# KiCad board GPDI_ULX3S_panel.kicad_pcb (continued)
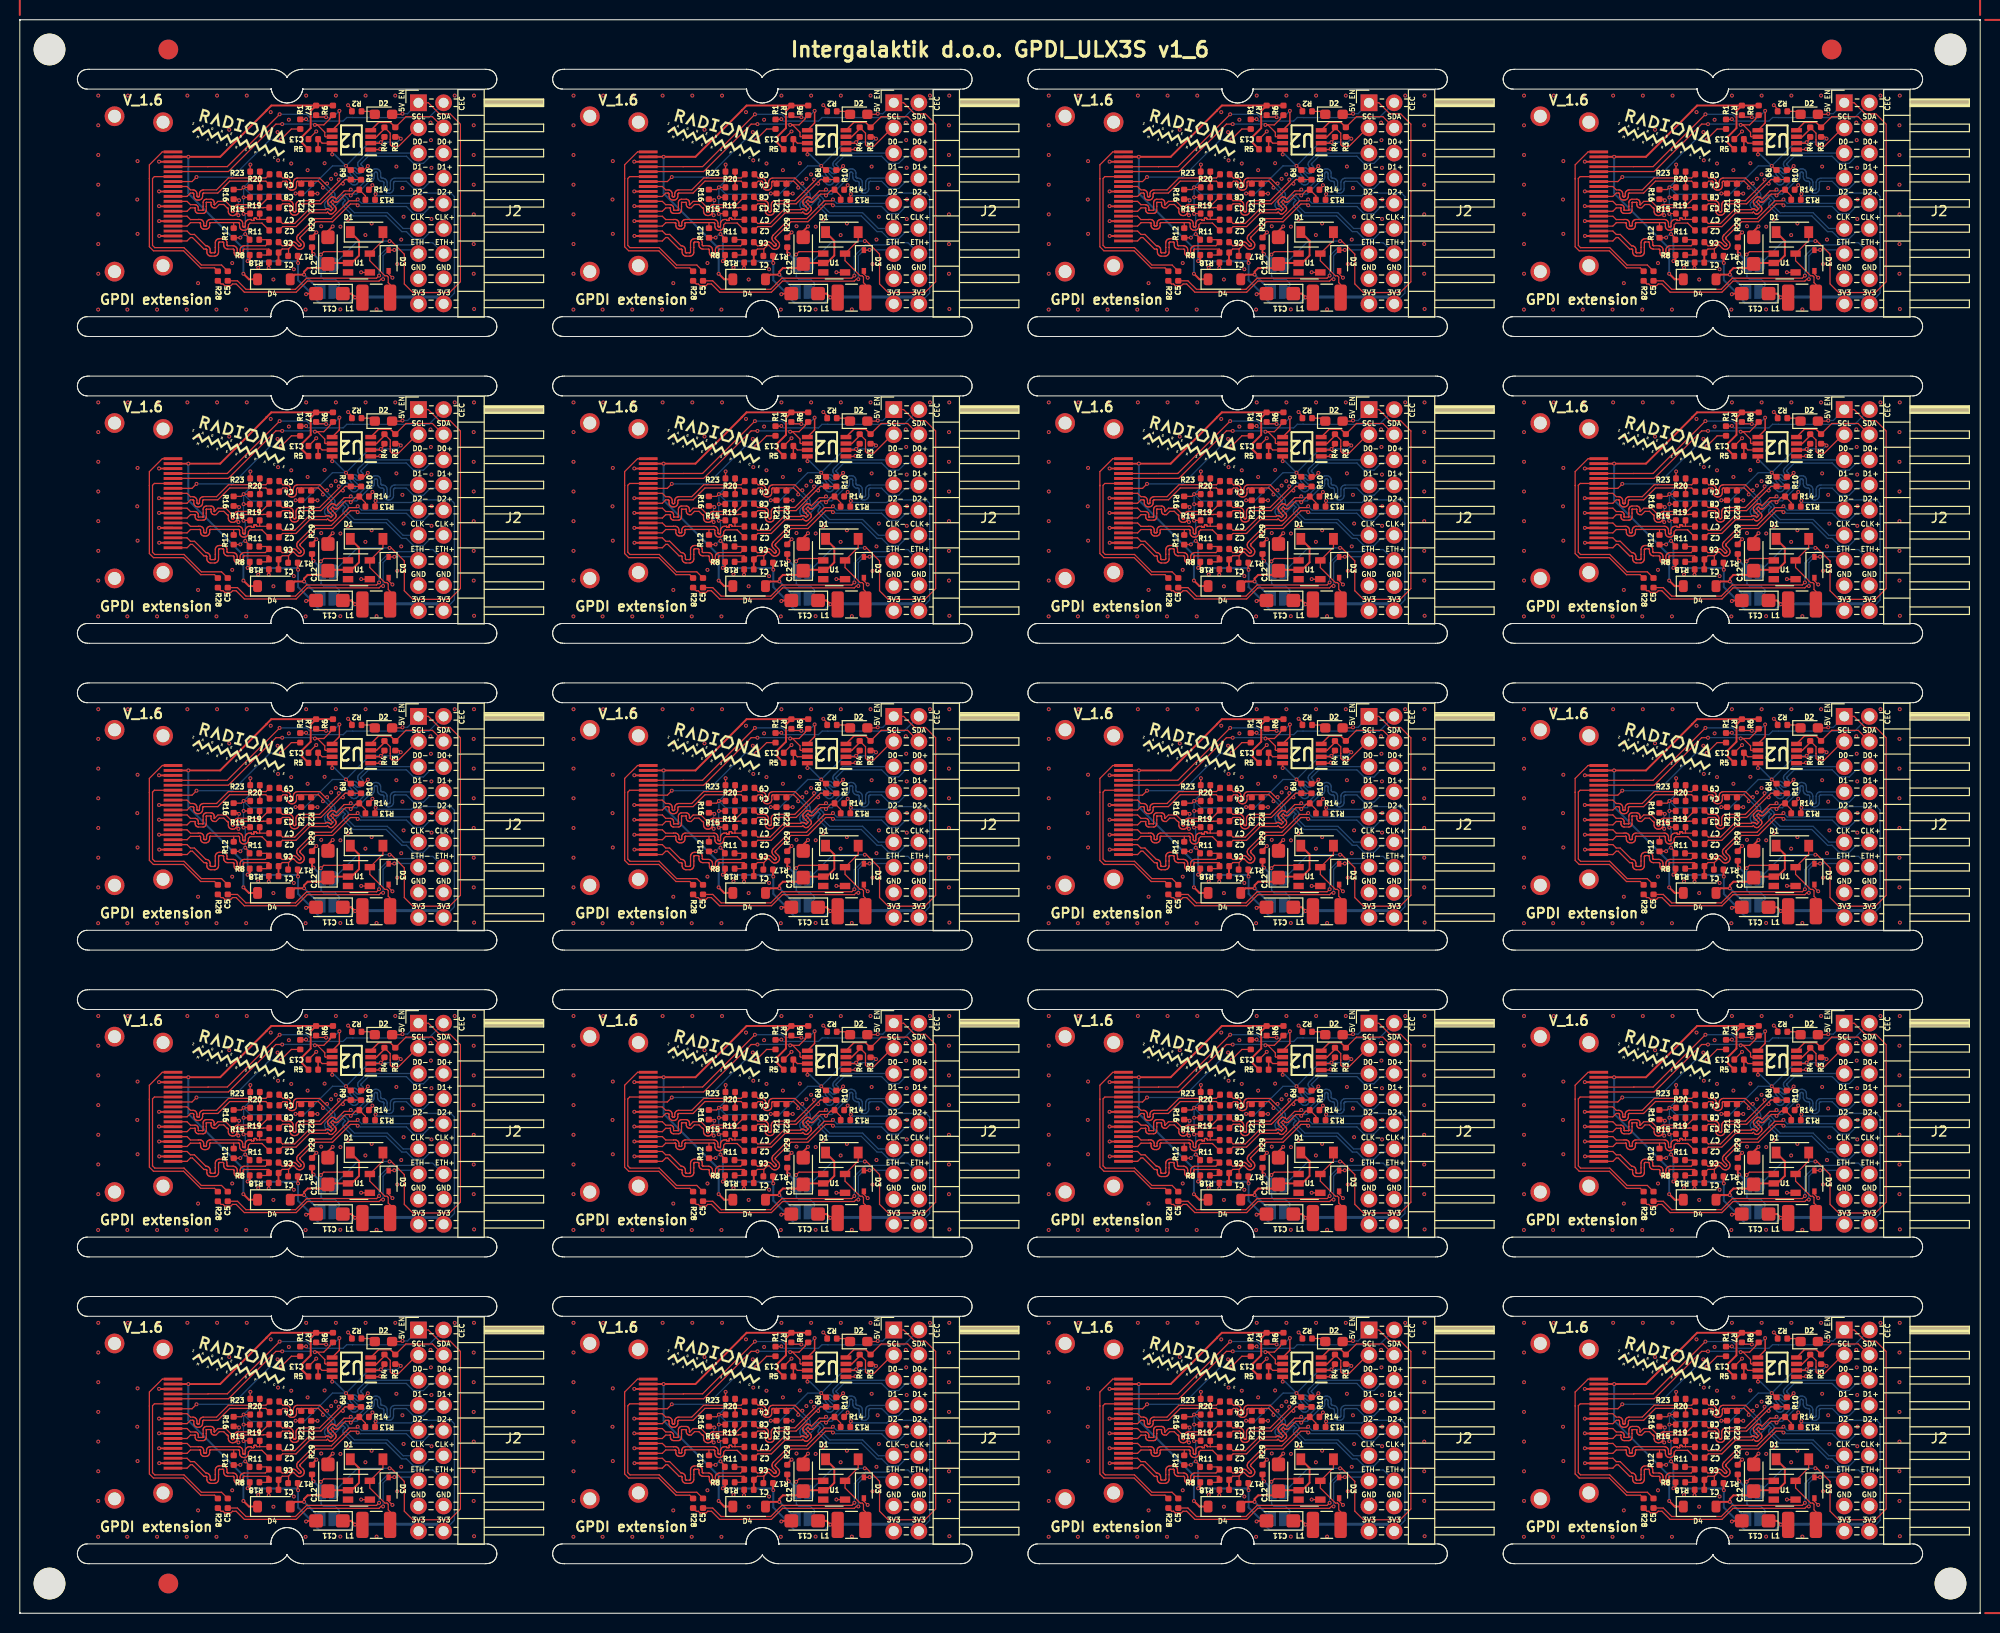
[diagram p0: board, top side]
## Routing (per net, layer and track width the routed paths; a pad name or vN(x,y) marks a point on that pad's centre or on a via; arc(x,y) is an arc through that point) (continued)
  Bottom w0.127: v1(33.42,112.85) 33.56,112.71 33.89,112.71 35.18,114 35.31,114 35.35,114 35.38,114.01 35.41,114.03 35.44,114.06 35.46,114.09 35.47,114.12 35.48,114.16 35.48,114.48 35.49,114.58 35.52,114.68 35.58,114.77 35.65,114.84 35.74,114.89 35.83,114.93 35.93,114.94 35.99,114.94 36.09,114.93 36.19,114.89 36.27,114.84 36.35,114.77 36.4,114.68 36.43,114.58 36.45,114.48 36.45,114.16 36.45,114.12 36.46,114.09 36.48,114.06 36.51,114.03 36.54,114.01 36.57,114 36.61,114 36.64,114 36.74,113.98 36.84,113.95 36.92,113.9 37,113.82 37.05,113.74 37.08,113.64 37.1,113.54 37.1,112.97 37.1,112.93 37.11,112.89 37.13,112.86 37.16,112.84 37.19,112.82 37.22,112.8 37.26,112.8 37.3,112.8 37.33,112.82 37.36,112.84 37.39,112.86 37.41,112.89 37.42,112.93 37.43,112.97 37.43,113.54 37.44,113.64 37.47,113.74 37.53,113.82 37.6,113.9 37.69,113.95 37.78,113.98 37.88,114 40.26,114
Board_4-GPDI_D2+: length 22.7
  Top w0.127: R17#15.2 27.14,106.19 27.14,106.84 ; C1#2.1 26.5,106.84 27.14,106.84 ; v1(34.12,111.25) 33.99,111.39 33.39,111.39 31.59,109.59 29.89,109.59 28.34,108.04 28.32,108.01 28.3,107.98 28.3,107.95 28.3,107.92 28.3,107.89 28.32,107.86 28.34,107.84 28.61,107.57 28.67,107.49 28.71,107.41 28.73,107.31 28.73,107.21 28.71,107.12 28.67,107.03 28.61,106.96 28.57,106.92 28.49,106.86 28.4,106.82 28.31,106.79 28.21,106.79 28.12,106.82 28.03,106.86 27.96,106.92 27.69,107.19 27.66,107.21 27.63,107.22 27.6,107.23 27.57,107.23 27.54,107.22 27.51,107.21 27.49,107.19 27.14,106.84
  Top w0.2: R18#6.1 26.13,106.47 C1#2.1
  Bottom w0.127: v1(34.12,111.25) 34.27,111.25 34.38,111.14 39.04,111.14 39.76,110.41 40.76,110.41 41.48,111.14 42.48,111.14 J2#18.10
Board_4-GPDI_D2-: length 17.8
  Top w0.127: C6#15.1 26.5,107.16 27.01,107.16 27.28,107.43 27.36,107.49 27.44,107.53 27.54,107.56 27.64,107.56 27.73,107.53 27.82,107.49 27.89,107.43 28.16,107.16 28.19,107.14 28.21,107.13 28.25,107.12 28.28,107.12 28.31,107.13 28.34,107.14 28.36,107.16 28.38,107.19 28.39,107.22 28.4,107.25 28.4,107.28 28.39,107.31 28.38,107.34 28.36,107.36 28.09,107.63 28.03,107.71 27.99,107.79 27.97,107.89 27.97,107.98 27.99,108.08 28.03,108.17 28.09,108.24 29.76,109.91 31.46,109.91 33.26,111.71 33.99,111.71 v1(34.12,111.85)
  Bottom w0.127: v1(34.12,111.85) 34.52,111.45 J2#18.9
Board_4-GPDI_ETH+: length 25.7
  Top w0.127: v1(36.29,104.15) 36.03,103.89 28.97,103.89 27.84,102.77 22.84,102.77 21.98,103.62 C5#2.1
  Bottom w0.127: v1(36.29,104.15) 36.29,106.13 37.41,107.25 39.65,107.25 39.87,107.47 41.71,107.47 J2#18.14
Board_4-GPDI_ETH-: length 24.8
  Top w0.127: v1(37.82,106.75) 37.8,106.72 D3#12.1 ; R28#20.2 20.32,103.31 20.52,103.31 20.69,103.14 21.31,103.14 21.48,103.31 21.85,103.31 22.68,102.48 27.91,102.48 29.03,103.6 36.29,103.6 36.48,103.79 v1(36.69,103.79)
  Bottom w0.127: v1(36.69,103.79) 36.69,103.79 36.69,106.16 37.27,106.75 v1(37.82,106.75) 39.89,106.75 J2#18.13
Board_4-GPDI_SCL: length 21.1
  Top w0.127: U2.6 30.87,118.18 30.8,118.25 30.8,118.63 30.05,119.38 v1(29.8,119.38) 30.7,119.38 31.32,120 31.32,120.06 R6#12.2 ; P1#12.15 15.48,114.67 21.07,114.67 25.86,119.46 v1(26.5,119.46)
  Bottom w0.127: v1(29.8,119.38) 29.71,119.47 26.51,119.47 v1(26.5,119.46)
Board_4-GPDI_SDA: length 22.8
  Top w0.127: v1(26.24,120.45) 20.96,115.17 19.02,115.17 19.01,115.15 P1#12.16 ; v1(30.93,120.16) 30.91,120.18 30.11,120.18 R7#13.2
  Top w0.15: U2.5 32.28,119.57 v1(32.28,120.8)
  Bottom w0.127: v1(32.28,120.8) 31.58,120.1 30.99,120.1 v1(30.93,120.16) 30.92,120.17 29.25,120.17 28.97,120.45 v1(26.24,120.45)
Board_4-Net-(D1-A): length 8.1
  Top w0.127: D1#19.2 36.67,107.7 U1#18.5 35.35,105.66 36.87,104.13 37.08,104.13 37.21,104.01 37.21,103.44 37.4,103.25 L1#20.2
Board_4-Net-(D1-K): length 13.2
  Top w0.2: D1#19.1 34.26,107.66 34.26,106.18 33.51,105.42 U1#18.2 31.22,105.42 C12#13.1 30.7,104.91 29.07,104.91 28.71,104.55 v1(28.71,104.25) 27.78,104.25 D4#16.2
  Bottom w0.2: JP2#18.1 30.37,102.59 v1(28.71,104.25)
Board_4-Net-(D2-K): length 1.5
  Top w0.127: R2#20.1 35.55,120.75 D2#2.1
Board_4-Net-(U2-VREF2): length 2.6
  Top w0.127: U2.7 30.53,117.53 C13#10.1
  Top w0.15: R5#10.2 C13#10.1
Board_4-PMOD_SCL: length 8.1
  Top w0.127: 39.88,118.69 40.26,119.08 40.11,119.08 38.25,117.21 37.59,117.21 37.41,117.38 37.41,117.88 37.41,117.88 37.41,118.55 R4#12.2
  Top w0.15: R4#12.2 36.82,118.98 36.03,118.18 U2.3
Board_4-PMOD_SDA: length 8.8
  Top w0.127: 42.8,119.08 41.67,120.21 39,120.21 R3#14.2
  Top w0.15: U2.4 36.24,119.63 37.43,119.63 R3#14.2
Board_5-5V_ENABLE: length 54.8
  Top w0.127: 87.8,121.15 J2#6.1 89.26,121.61 90.39,120.49 91.46,120.49 92.5,119.45 92.5,103.53 91.41,102.44 87.7,102.44 86.83,103.31 86.83,106.32 85.51,107.64 v1(85.34,107.64) ; D2#7.2 86.59,120.45 v1(86.65,120.51) ; U1#13.1 80.96,106.57 78.7,106.57 v1(78.41,106.28)
  Top w0.2: R29#19.1 77.51,106.48 v1(77.66,106.33)
  Bottom w0.127: v1(86.65,120.51) 87.16,120.51 J2#6.1 ; JP1#10.1 82.12,107.64 v1(85.34,107.64) ; JP2.2 80.26,103.13 80.26,103.39 79.86,103.79 78.68,103.79 78.44,104.03 78.43,104.03 78.43,105.25 JP1#10.2 78.42,106 78.41,106.01 v1(78.41,106.28)
  Bottom w0.2: JP1#10.2 78.42,105.57 v1(77.66,106.33)
  Bottom w0.5: JP1#10.2 JP1#10.1
Board_5-+3V3: length 87.4
  Top w0.127: L1#19.1 81.88,101.92 v1(81.86,101.95) ; v1(80.94,115.24) 81.36,114.82 R9#13.1 ; R15#7.1 70.62,110.42 v1(70.59,110.39) ; R4#10.1 84.82,117.99 v1(84.47,117.63) ; v1(70.27,107.99) 70.26,107.97 R12#7.1 ; v1(70.77,108.35) 71.21,107.91 R11#14.1 ; R19.1 v1(70.6,112.06) ; R20#2.1 v1(70.6,113.07) 70.38,112.85 R16#6.1 ; v1(83.93,112.38) 83.88,112.33 R13#4.1 ; R3#5.1 86.3,118.17 v1(86.47,117.99) ; R23#11.1 71.27,115.35 v1(71.29,115.37) ; v1(75.85,112.45) R21#17.1
  Top w0.15: U2#17.8 79.54,116.41 v1(79.55,116.4) ; U2#17.2 84.37,117.53 v1(84.47,117.63)
  Top w0.2: v1(71.01,105.62) 71.23,105.84 R8#15.1 ; C11#2.1 81.48,102.33 v1(81.86,101.95) ; v1(76.1,105.43) 76.07,105.46 R17#19.1
  Bottom w0.127: 90.8,101.3 91.89,102.38 91.89,112.14 91.54,112.5 87.83,112.5 87.57,112.23 84.08,112.23 v1(83.93,112.38) ; v1(86.47,117.99) 86.12,117.63 v1(84.47,117.63) 83.34,117.63 v1(80.94,115.24) 79.58,115.24 76.79,112.45 v1(75.85,112.45) 75.77,112.37 71.3,112.37 v1(70.6,113.07) ; v1(71.29,115.37) 71.29,113.75 v1(70.6,113.07) ; v1(70.27,107.99) 70.63,108.35 v1(70.77,108.35) 70.77,110.22 v1(70.59,110.39) 70.59,112.05 v1(70.6,112.06) v1(70.6,113.07)
  Bottom w0.15: v1(79.55,116.4) 79.78,116.4 v1(80.94,115.24)
  Bottom w0.2: v1(81.86,101.95) 81.32,101.41 78.24,101.41 77.65,102 77.65,102.14 76.1,103.68 v1(76.1,105.43) 75.93,105.6 71.03,105.6 v1(71.01,105.62) 71.01,108.11 v1(70.77,108.35)
  Bottom w0.3: 90.8,101.3 90.11,101.99 81.9,101.99 v1(81.86,101.95)
Board_5-+5V: length 39.3
  Top w0.2: D4.1 71.14,103.78 v1(70.58,104.34) ; R5#13.1 76.53,117.55 76.53,118.2 77.38,119.06 77.38,120.79 R7#15.1 ; P1#4.18 v1(65.02,116.15) 68.24,116.15 72.92,120.83 72.92,120.85 73.4,121.33 R7#15.1 ; R7#15.1 R6#3.1
  Bottom w0.2: v1(70.58,104.34) 70.58,106.9 65.02,112.46 v1(65.02,116.15)
Board_5-/CEC: length 15.1
  Top w0.127: R1#18.1 75.43,118.97 v1(74.37,117.91) ; v1(65.85,114.11) 65.39,113.65 P1#4.13
  Bottom w0.127: v1(74.37,117.91) 73.28,117.91 69.47,114.11 v1(65.85,114.11)
Board_5-/CLK+: length 12.1
  Top w0.127: C4#8.2 72.85,113.7 69.2,113.7 68,112.5 66.58,112.5 66.55,112.49 66.53,112.48 66.51,112.47 66.49,112.45 66.48,112.43 66.47,112.4 66.46,112.38 66.46,112.19 66.45,112.1 66.42,112.02 66.37,111.94 66.31,111.87 66.23,111.82 66.14,111.79 66.05,111.78 65.98,111.78 65.89,111.79 65.8,111.82 65.73,111.87 65.66,111.94 65.61,112.02 65.58,112.1 65.57,112.19 65.57,112.38 65.57,112.4 65.56,112.43 65.55,112.45 65.53,112.47 65.51,112.48 65.48,112.49 65.45,112.5 65.24,112.5 64.89,112.15 P1#4.10
  Top w0.15: R20#2.2 72.24,113.67
Board_5-/CLK-: length 12.2
  Top w0.127: 72.26,114.02 72.24,114.03 R23#11.2 ; 72.26,114.02 72.85,114.02 C9#19.2 ; 72.26,114.02 69.07,114.02 67.87,112.81 66.56,112.81 66.46,112.8 66.38,112.77 66.3,112.72 66.23,112.66 66.19,112.58 66.16,112.49 66.14,112.4 66.14,112.22 66.14,112.19 66.13,112.17 66.12,112.15 66.1,112.13 66.08,112.11 66.05,112.1 66.03,112.1 66.01,112.1 65.98,112.1 65.96,112.11 65.93,112.13 65.92,112.15 65.9,112.17 65.89,112.19 65.89,112.22 65.89,112.4 65.88,112.49 65.85,112.58 65.8,112.66 65.74,112.72 65.66,112.77 65.57,112.8 65.48,112.81 65.24,112.81 64.89,113.15 P1#4.12
Board_5-/D0+: length 15.7
  Top w0.127: v1(70.08,110.25) 69.95,110.38 69.86,110.38 ; 69.86,110.38 69.79,110.31 69.71,110.26 69.62,110.23 69.53,110.22 69.48,110.22 69.38,110.23 69.3,110.26 69.22,110.31 69.15,110.38 69.1,110.46 69.07,110.55 69.06,110.64 69.06,110.88 69.05,110.91 69.04,110.93 69.03,110.96 69.01,110.98 68.99,110.99 68.96,111 68.93,111.01 68.6,111.34 68.14,111.34 67.8,111 67.65,111 67.58,111 67.5,111.03 67.44,111.07 67.39,111.12 67.35,111.19 67.32,111.26 67.31,111.33 67.31,111.51 67.31,111.52 67.31,111.53 67.3,111.54 67.3,111.54 67.29,111.55 67.28,111.55 67.27,111.55 66.87,111.55 66.86,111.55 66.85,111.55 66.85,111.54 66.84,111.54 66.84,111.53 66.83,111.52 66.83,111.51 66.83,111.15 66.83,110.78 66.82,110.7 66.8,110.63 66.76,110.57 66.7,110.51 66.64,110.47 66.57,110.45 66.49,110.44 66.05,110.44 65.97,110.45 65.9,110.47 65.84,110.51 65.79,110.57 65.75,110.63 65.72,110.7 65.71,110.78 65.71,110.96 65.71,110.97 65.71,110.97 65.7,110.98 65.7,110.99 65.69,110.99 65.68,110.99 65.67,111 65.24,111 64.89,110.65 P1#4.7 ; 69.86,110.38 69.91,110.46 69.94,110.55 69.95,110.64 69.95,110.88 69.95,110.91 69.96,110.93 69.98,110.96 70,110.98 70.02,110.99 70.05,111 70.08,111.01 70.15,111.01 70.18,111 70.2,110.99 70.23,110.98 70.25,110.96 70.26,110.93 70.27,110.91 70.28,110.88 70.28,110.87 70.28,110.84 70.29,110.82 70.3,110.79 70.32,110.77 70.35,110.76 70.37,110.75 70.4,110.75 70.43,110.75 70.46,110.76 70.48,110.77 70.5,110.79 70.52,110.82 70.53,110.84 70.53,110.87 70.53,110.88 70.53,110.91 70.54,110.93 70.56,110.96 70.58,110.98 70.6,110.99 70.63,111 70.66,111.01 72.57,111.01 72.59,111.03 C3#5.2 ; v1(70.15,111.76) 70.03,111.88 R16#6.2
  Bottom w0.127: v1(70.08,110.25) 70.08,111.7 v1(70.15,111.76)
Board_5-/D0-: length 14.1
  Top w0.127: P1#4.9 64.89,111.65 65.24,111.31 65.69,111.31 65.77,111.31 65.84,111.28 65.9,111.24 65.96,111.19 66,111.12 66.02,111.05 66.03,110.98 66.03,110.8 66.03,110.79 66.03,110.78 66.04,110.77 66.05,110.77 66.05,110.76 66.06,110.76 66.07,110.76 66.47,110.76 66.48,110.76 66.49,110.76 66.5,110.77 66.5,110.77 66.51,110.78 66.51,110.79 66.51,110.8 66.51,111.15 66.51,111.15 66.51,111.53 66.52,111.61 66.55,111.68 66.59,111.74 66.64,111.8 66.7,111.84 66.78,111.86 66.85,111.87 67.29,111.87 67.37,111.86 67.44,111.84 67.51,111.8 67.56,111.74 67.6,111.68 67.62,111.61 67.63,111.53 67.63,111.35 67.63,111.34 67.64,111.34 67.64,111.33 67.65,111.32 67.65,111.32 67.66,111.32 67.67,111.31 68.01,111.65 68.8,111.65 69.28,111.17 69.33,111.09 69.37,111 69.38,110.91 69.38,110.67 69.38,110.64 69.39,110.61 69.4,110.59 69.42,110.57 69.45,110.55 69.48,110.54 69.5,110.54 69.53,110.54 69.56,110.55 69.58,110.57 69.6,110.59 69.62,110.61 69.63,110.64 69.63,110.67 69.63,110.91 69.64,111 69.67,111.09 69.72,111.17 69.79,111.23 69.87,111.28 69.96,111.31 70.05,111.33 72.39,111.33 C8#13.2 73.13,112.06
  Top w0.15: 72.2,111.33 72.22,111.34 R19.2
Board_5-/D1+: length 12.6
  Top w0.127: C2#6.2 72.45,109.46 71.26,109.46 71.09,109.29 71.09,109.15 71.08,109.05 71.05,108.97 71,108.89 70.93,108.82 70.85,108.77 70.76,108.74 70.67,108.73 70.62,108.73 70.52,108.74 70.44,108.77 70.36,108.82 70.29,108.89 70.24,108.97 70.21,109.05 70.2,109.15 70.2,109.38 70.19,109.41 70.18,109.43 70.17,109.46 70.15,109.48 70.13,109.49 70.1,109.5 70.07,109.51 67.27,109.51 67.25,109.5 67.23,109.5 67.21,109.49 67.19,109.47 67.18,109.45 67.18,109.43 67.17,109.41 67.17,109.23 67.16,109.14 67.14,109.06 67.09,108.99 67.03,108.93 66.95,108.88 66.87,108.85 66.79,108.84 66.64,108.84 66.56,108.85 66.48,108.88 66.4,108.93 66.34,108.99 66.29,109.06 66.27,109.14 66.26,109.23 66.26,109.41 66.25,109.43 66.25,109.45 66.24,109.47 66.22,109.49 66.2,109.5 66.18,109.5 66.16,109.51 66.15,109.5 65.24,109.5 64.89,109.15 P1#4.4 ; R12#7.2 69.6,109.49
Board_5-/D1-: length 12.8
  Top w0.127: R15#7.2 72.23,109.83 ; 72.23,109.83 73.16,109.83 C7#4.2 ; 72.23,109.83 71.97,109.83 71.95,109.83 71.94,109.83 71.92,109.84 71.91,109.85 71.9,109.87 71.9,109.88 71.9,109.91 71.89,109.93 71.88,109.94 71.87,109.96 71.86,109.96 71.84,109.97 71.82,109.97 71.72,109.97 71.7,109.97 71.68,109.96 71.67,109.96 71.66,109.94 71.65,109.93 71.65,109.91 71.64,109.9 71.64,109.78 71.64,109.76 71.64,109.75 71.63,109.74 71.62,109.74 71.62,109.73 71.6,109.73 71.59,109.73 71.44,109.73 71.43,109.73 71.42,109.73 71.41,109.74 71.4,109.74 71.39,109.75 71.39,109.76 71.39,109.79 71.38,109.8 71.38,109.81 71.37,109.81 71.36,109.82 71.35,109.82 71.34,109.83 71.19,109.83 71.1,109.81 71.01,109.78 70.93,109.73 70.86,109.67 70.81,109.59 70.78,109.5 70.77,109.41 70.77,109.17 70.77,109.15 70.76,109.12 70.74,109.09 70.72,109.07 70.7,109.06 70.67,109.05 70.64,109.05 70.62,109.05 70.59,109.06 70.56,109.07 70.54,109.09 70.53,109.12 70.52,109.15 70.52,109.17 70.52,109.41 70.51,109.5 70.47,109.59 70.42,109.67 70.36,109.73 70.28,109.78 70.19,109.81 70.1,109.83 67.24,109.83 67.16,109.82 67.08,109.79 67,109.74 66.94,109.68 66.89,109.61 66.87,109.52 66.86,109.44 66.86,109.25 66.85,109.23 66.85,109.21 66.84,109.2 66.82,109.18 66.8,109.17 66.78,109.16 66.76,109.16 66.67,109.16 66.65,109.16 66.63,109.17 66.61,109.18 66.59,109.2 66.58,109.21 66.58,109.23 66.57,109.25 66.57,109.44 66.56,109.52 66.54,109.61 66.49,109.68 66.43,109.74 66.35,109.79 66.27,109.82 66.19,109.83 66.03,109.83 66.02,109.81 65.24,109.81 64.89,110.15 P1#4.6
Board_5-/D2+: length 15
  Top w0.127: R8#15.2 72.92,106.23 C1#7.2 73.17,106.8 73.14,106.83 70.65,106.83 70.62,106.82 70.6,106.79 70.58,106.77 70.57,106.74 70.57,106.71 70.57,106.5 70.56,106.4 70.52,106.31 70.47,106.23 70.4,106.16 70.32,106.1 70.23,106.07 70.13,106.06 70.08,106.06 69.98,106.07 69.89,106.1 69.81,106.16 69.74,106.23 69.69,106.31 69.66,106.4 69.64,106.5 69.64,106.71 69.64,106.74 69.63,106.77 69.61,106.79 69.59,106.82 69.56,106.83 69.01,106.83 68.91,106.84 68.83,106.88 68.75,106.92 68.68,106.99 68.63,107.07 68.6,107.16 68.59,107.25 68.59,107.44 68.59,107.47 68.58,107.49 68.57,107.51 68.55,107.53 68.53,107.54 68.51,107.55 68.48,107.55 68.18,107.55 68.16,107.55 68.14,107.54 68.12,107.53 68.1,107.51 68.09,107.49 68.08,107.47 68.07,107.44 68.07,107 68.07,107 68.07,106.53 68.06,106.44 68.03,106.35 67.98,106.27 67.92,106.21 67.84,106.16 67.75,106.13 67.66,106.12 67.31,106.12 67.21,106.13 67.13,106.16 67.05,106.21 66.98,106.27 66.93,106.35 66.9,106.44 66.89,106.53 66.89,106.73 66.89,106.75 66.88,106.77 66.87,106.79 66.85,106.81 66.83,106.82 66.81,106.83 66.78,106.83 66.6,106.83 65.43,108 65.24,108 64.89,107.65 P1#4.1
Board_5-/D2-: length 14.8
  Top w0.127: R11#14.2 72.91,107.78 C6#9.2 72.8,107.17 70.68,107.17 70.59,107.16 70.49,107.12 70.41,107.07 70.34,107 70.29,106.92 70.26,106.83 70.25,106.73 70.25,106.52 70.24,106.49 70.23,106.46 70.22,106.43 70.19,106.41 70.17,106.39 70.14,106.38 70.11,106.38 70.07,106.38 70.04,106.39 70.02,106.41 69.99,106.43 69.98,106.46 69.97,106.49 69.96,106.52 69.96,106.73 69.95,106.83 69.92,106.92 69.87,107 69.8,107.07 69.72,107.12 69.63,107.16 69.53,107.17 69.03,107.17 69.01,107.17 68.99,107.18 68.97,107.19 68.95,107.21 68.94,107.23 68.93,107.25 68.92,107.27 68.92,107.47 68.91,107.56 68.88,107.65 68.83,107.73 68.77,107.79 68.69,107.84 68.6,107.87 68.51,107.88 68.16,107.88 68.06,107.87 67.98,107.84 67.9,107.79 67.83,107.73 67.78,107.65 67.75,107.56 67.74,107.47 67.74,107 67.74,106.56 67.74,106.54 67.73,106.51 67.72,106.49 67.7,106.48 67.68,106.46 67.66,106.45 67.63,106.45 67.33,106.45 67.31,106.45 67.28,106.46 67.26,106.48 67.25,106.49 67.23,106.51 67.23,106.54 67.22,106.56 67.22,106.75 67.21,106.84 67.18,106.93 67.13,107.01 67.07,107.08 66.99,107.13 66.9,107.16 66.81,107.17 66.78,107.17 65.64,108.31 65.24,108.31 64.89,108.65 P1#4.3
Board_5-/ETH+: length 17.6
  Top w0.127: C5#13.2 68.38,105.22 66.34,105.22 64.58,106.98 61.63,106.98 61.4,107.2 61.4,113.97 61.59,114.15 P1#4.14
Board_5-/ETH-: length 19.2
  Top w0.127: 61.09,113.93 61.09,115.35 62.39,116.65 P1#4.19 ; 61.09,113.93 61.09,113.97 ; 61.09,113.93 61.09,107.07 61.5,106.66 64.54,106.66 66.27,104.93 67.67,104.93 R28#11.1
Board_5-GND: length 17.5
  Top w0.127: v1(77.94,118.72) 77.94,118.72 C13#18.2 ; v1(81.15,121.37) 81.54,120.98 R2.2 ; v1(83.15,115.22) 82.75,114.82 R10#13.2 ; R14#12.2 83.61,113.19 v1(83.61,113.29) ; v1(78.07,112.44) 78.07,112.44 R22#12.2 ; D3#20.2 85.25,104.33 v1(85.63,103.94) ; U1#13.4 82.49,104.47 v1(82.47,104.49)
  Top w0.15: v1(84.4,116.94) 84.35,116.88 U2#17.1
  Top w0.2: v1(62.08,108.16) 62.08,108.15 P1#4.2 ; P1#4.8 62.08,111.15 v1(62.06,111.18) ; v1(62.06,112.66) 62.07,112.65 P1#4.11 ; P1#4.17 62.07,115.65 v1(62.06,115.67) ; v1(79.6,109.12) 79.12,108.64 C12#2.2 ; C11#2.2 76.97,102.33 v1(76.91,102.27) ; R18#3.2 73.16,104.94 v1(73.14,104.93) ; v1(77.95,108.52) 77.51,108.08 R29#19.2 ; P1#4.5 62.08,109.65 v1(62.07,109.66)
  In1.Cu w0.5: 88.38,103.72 J2#6.15
  vias: v1(55.92,122.34) v1(55.92,119.34) v1(55.92,116.34) v1(55.92,113.34) v1(55.92,110.34) v1(55.92,107.34) v1(55.92,104.34) v1(55.91,100.72) v1(58.92,122.34) v1(58.86,100.72) v1(59.89,115.72) v1(59.86,111.84) v1(59.89,108.37) v1(61.92,122.34) v1(61.86,100.72) v1(64.92,122.34) v1(64.86,100.72) v1(66.02,118.97) v1(66,103.39) v1(67.92,122.34) v1(67.86,100.72) v1(69.15,118.89) v1(69.45,105.42) v1(70.92,122.34) v1(70.86,100.72) v1(72.08,104.94) v1(73.34,120.67) v1(73.61,103.76) v1(74.03,118.65) v1(74.08,115.8) v1(75.17,119.9) v1(75.41,115.48) v1(75.68,104.79) v1(76.92,122.34) v1(76.86,100.72) v1(77.07,114.81) v1(78.44,109.14) v1(78.78,115.51) v1(79.44,113.93) v1(79.92,122.34) v1(79.91,114.38) v1(80.38,109.1) v1(80.37,100.74) v1(81.14,109.81) v1(82.92,122.34) v1(82.9,108.25) v1(83.53,109.42) v1(84.03,100.74) v1(85.92,122.34) v1(86.03,115.17) v1(86.12,105.32) v1(86.52,107.79) v1(86.64,113) v1(86.76,110.1) v1(89.48,119.61) v1(89.52,117.84) v1(89.57,115.05) v1(89.6,111.85) v1(89.58,109.87) v1(91.92,122.34) v1(93.84,119.34) v1(93.84,116.34) v1(93.84,113.34) v1(93.84,110.34) v1(93.84,107.34) v1(93.84,104.34) v1(93.87,122.34) v1(93.88,100.78)
Board_5-GPDI_CEC: length 15.3
  Top w0.127: v1(76.91,119.96) 76.89,119.94 R1#18.2
  Bottom w0.127: v1(76.91,119.96) 77.1,119.77 80.66,119.77 81.02,120.13 81.6,120.13 81.61,120.12 89.31,120.12 J2#6.2
Board_5-GPDI_CLK+: length 24.8
  Top w0.127: R22#12.1 77.43,113.69 ; 77.43,113.69 76.45,113.69 ; 77.43,113.69 78.16,113.69 78.62,113.23 v1(78.62,113.04) ; 76.45,113.69 76.42,113.67 R21#17.2 ; 76.45,113.69 76.09,113.69 76.06,113.69 76.03,113.68 76,113.66 75.98,113.64 75.96,113.61 75.95,113.58 75.95,113.55 75.95,113.22 75.94,113.12 75.9,113.03 75.85,112.95 75.78,112.88 75.7,112.83 75.61,112.8 75.51,112.79 75.46,112.79 75.36,112.8 75.27,112.83 75.19,112.88 75.12,112.95 75.07,113.03 75.04,113.12 75.03,113.22 75.03,113.55 75.02,113.58 75.01,113.61 75,113.64 74.97,113.66 74.95,113.68 74.92,113.69 74.89,113.69 74.57,113.69 C4#8.1
  Bottom w0.127: v1(78.62,113.04) 78.81,113.04 79.46,112.39 79.48,112.36 79.5,112.33 79.5,112.29 79.5,112.26 79.5,112.22 79.48,112.19 79.46,112.16 78.91,111.61 78.85,111.53 78.8,111.44 78.78,111.34 78.78,111.24 78.8,111.14 78.85,111.05 78.91,110.97 78.95,110.93 79.03,110.86 79.12,110.82 79.22,110.8 79.32,110.8 79.42,110.82 79.51,110.86 79.59,110.93 80.62,111.95 80.63,111.96 80.63,111.96 80.64,111.96 80.65,111.96 80.65,111.96 80.66,111.96 80.67,111.95 80.85,111.77 80.86,111.76 80.86,111.75 80.86,111.75 80.86,111.74 80.86,111.73 80.86,111.72 80.85,111.72 80.73,111.59 80.68,111.53 80.65,111.47 80.63,111.39 80.63,111.32 80.65,111.25 80.68,111.18 80.73,111.12 81.66,110.19 84.99,110.19 86.58,108.6 87.04,108.6 87.76,107.87 88.76,107.87 89.48,108.6 90.48,108.6 90.8,108.92
Board_5-GPDI_CLK-: length 21
  Top w0.127: v1(79.03,113.46) 78.84,113.46 78.29,114.01 76.06,114.01 75.96,114 75.87,113.97 75.79,113.92 75.72,113.85 75.67,113.77 75.64,113.68 75.63,113.58 75.63,113.25 75.62,113.21 75.61,113.18 75.6,113.16 75.57,113.14 75.55,113.12 75.52,113.11 75.49,113.1 75.46,113.11 75.43,113.12 75.4,113.14 75.38,113.16 75.36,113.18 75.35,113.21 75.35,113.25 75.35,113.58 75.34,113.68 75.3,113.77 75.25,113.85 75.18,113.92 75.1,113.97 75.01,114 74.91,114.01 74.57,114.01 C9#19.1
  Bottom w0.127: v1(79.03,113.46) 79.03,113.27 79.7,112.6 79.76,112.52 79.81,112.43 79.83,112.33 79.83,112.23 79.81,112.13 79.76,112.03 79.7,111.95 79.15,111.41 79.13,111.38 79.12,111.34 79.11,111.31 79.11,111.27 79.12,111.24 79.13,111.2 79.15,111.17 79.18,111.15 79.22,111.13 79.25,111.13 79.29,111.13 79.33,111.13 79.36,111.15 79.39,111.17 80.41,112.19 80.47,112.24 80.53,112.27 80.61,112.29 80.68,112.29 80.75,112.27 80.82,112.24 80.88,112.19 81.09,111.98 81.14,111.92 81.17,111.85 81.19,111.78 81.19,111.71 81.17,111.63 81.14,111.57 81.09,111.51 80.97,111.38 80.96,111.37 80.96,111.37 80.96,111.36 80.96,111.35 80.96,111.35 80.96,111.34 80.97,111.33 81.79,110.51 85.12,110.51 86.71,108.92 88.26,108.92
Board_5-GPDI_D0+: length 26.3
  Top w0.127: R10#13.1 82.46,113.85 R9#13.2 80.86,113.85 80.63,113.63 v1(80.63,113.44) 80.44,113.44 78.4,111.4 76.35,111.4 76.32,111.4 76.29,111.39 76.26,111.37 76.24,111.35 76.23,111.32 76.22,111.29 76.21,111.26 76.21,110.69 76.2,110.59 76.17,110.5 76.12,110.42 76.05,110.35 75.97,110.3 75.88,110.27 75.78,110.26 75.73,110.26 75.63,110.27 75.54,110.3 75.46,110.35 75.39,110.42 75.34,110.5 75.3,110.59 75.29,110.69 75.29,111.26 75.29,111.29 75.28,111.32 75.26,111.35 75.24,111.37 75.21,111.39 75.18,111.4 75.15,111.4 74.53,111.4 C3#5.1
  Bottom w0.127: J2#6.6 90.48,116.22 89.48,116.22 88.76,115.49 87.76,115.49 87.04,116.22 83.22,116.22 82.47,115.47 82.46,115.46 82.45,115.44 82.45,115.42 82.45,115.4 82.45,115.38 82.46,115.36 82.47,115.35 82.6,115.22 82.66,115.15 82.7,115.07 82.72,114.99 82.72,114.9 82.7,114.82 82.66,114.74 82.6,114.67 82.5,114.57 82.43,114.51 82.35,114.48 82.27,114.46 82.18,114.46 82.1,114.48 82.02,114.51 81.95,114.57 81.83,114.7 81.81,114.71 81.79,114.72 81.77,114.72 81.75,114.72 81.73,114.72 81.71,114.71 81.7,114.7 81.68,114.67 81.66,114.64 81.66,114.61 81.66,114.58 81.66,114.55 81.68,114.52 81.7,114.5 82.11,114.08 82.17,114.01 82.21,113.92 82.24,113.83 82.24,113.73 82.21,113.63 82.17,113.55 82.11,113.47 82.07,113.43 82,113.37 81.91,113.33 81.82,113.31 81.72,113.31 81.62,113.33 81.54,113.37 81.46,113.43 81.05,113.85 81.02,113.87 80.99,113.88 80.96,113.89 80.93,113.89 80.9,113.88 80.87,113.87 80.85,113.85 80.63,113.63 v1(80.63,113.44)
Board_5-GPDI_D0-: length 20.9
  Top w0.127: v1(80.22,113.86) 80.22,113.67 78.27,111.72 76.33,111.72 76.23,111.71 76.14,111.68 76.06,111.63 75.99,111.56 75.94,111.48 75.9,111.39 75.89,111.29 75.89,110.72 75.89,110.69 75.88,110.66 75.86,110.63 75.84,110.61 75.81,110.59 75.78,110.58 75.75,110.58 75.72,110.58 75.69,110.59 75.66,110.61 75.64,110.63 75.63,110.66 75.62,110.69 75.61,110.72 75.61,111.29 75.6,111.39 75.57,111.48 75.52,111.56 75.45,111.63 75.37,111.68 75.28,111.71 75.18,111.72 74.53,111.72 C8#13.1
  Bottom w0.127: J2#6.5 83.08,116.53 82.23,115.68 82.18,115.62 82.14,115.54 82.12,115.45 82.12,115.37 82.14,115.28 82.18,115.21 82.23,115.14 82.36,115.01 82.37,114.99 82.38,114.97 82.39,114.95 82.39,114.93 82.38,114.91 82.37,114.9 82.36,114.88 82.29,114.81 82.28,114.8 82.26,114.79 82.24,114.78 82.22,114.78 82.2,114.79 82.18,114.8 82.16,114.81 82.03,114.94 81.97,114.99 81.89,115.03 81.8,115.05 81.72,115.05 81.63,115.03 81.56,114.99 81.49,114.94 81.45,114.9 81.39,114.83 81.35,114.74 81.33,114.65 81.33,114.55 81.35,114.45 81.39,114.37 81.45,114.29 81.87,113.88 81.89,113.85 81.9,113.82 81.91,113.79 81.91,113.76 81.9,113.73 81.89,113.7 81.87,113.68 81.84,113.66 81.81,113.64 81.78,113.64 81.75,113.64 81.72,113.64 81.69,113.66 81.67,113.68 81.25,114.09 81.18,114.15 81.09,114.19 81,114.22 80.9,114.22 80.8,114.19 80.72,114.15 80.64,114.09 80.41,113.86 v1(80.22,113.86)
Board_5-GPDI_D1+: length 26.6
  Top w0.127: R13#4.2 82.91,112.21 R14#12.1 82.19,112.74 81.91,112.74 v1(81.42,112.25) 81.29,112.39 80.89,112.39 80.16,111.66 80.1,111.61 80.04,111.59 79.98,111.57 79.91,111.57 79.85,111.59 79.79,111.61 79.73,111.66 79.61,111.78 79.41,111.58 79.63,111.36 79.62,111.35 79.86,111.11 79.9,111.06 79.93,110.99 79.95,110.93 79.95,110.86 79.93,110.8 79.9,110.74 79.86,110.68 79.63,110.46 79.58,110.42 79.52,110.39 79.46,110.37 79.39,110.37 79.32,110.39 79.26,110.42 79.21,110.46 79.08,110.58 78.99,110.49 77.29,110.49 75.9,109.1 74.54,109.1 C2#6.1
  Bottom w0.127: 90.8,114 90.48,113.68 89.48,113.68 88.76,112.95 87.76,112.95 87.04,113.68 85.91,113.68 85.87,113.67 85.84,113.66 85.81,113.64 85.78,113.61 85.76,113.58 85.75,113.55 85.75,113.51 85.75,112.94 85.73,112.84 85.7,112.74 85.65,112.65 85.57,112.58 85.49,112.53 85.39,112.49 85.29,112.48 85.23,112.48 85.13,112.49 85.03,112.53 84.95,112.58 84.88,112.65 84.82,112.74 84.79,112.84 84.78,112.94 84.78,113.51 84.77,113.55 84.76,113.58 84.74,113.61 84.71,113.64 84.68,113.66 84.65,113.67 84.61,113.68 84.58,113.68 84.48,113.69 84.38,113.72 84.3,113.78 84.23,113.85 84.17,113.93 84.14,114.03 84.13,114.13 84.13,114.45 84.12,114.49 84.11,114.53 84.09,114.56 84.06,114.58 84.03,114.6 84,114.62 83.96,114.62 83.92,114.62 83.89,114.6 83.86,114.58 83.83,114.56 83.81,114.53 83.8,114.49 83.8,114.45 83.8,114.13 83.78,114.03 83.75,113.93 83.7,113.85 83.62,113.78 83.54,113.72 83.44,113.69 83.34,113.68 83.31,113.68 82.03,112.39 81.56,112.39 v1(81.42,112.25)
